# KiCad board mxm_immobilizer.kicad_pcb (continued)
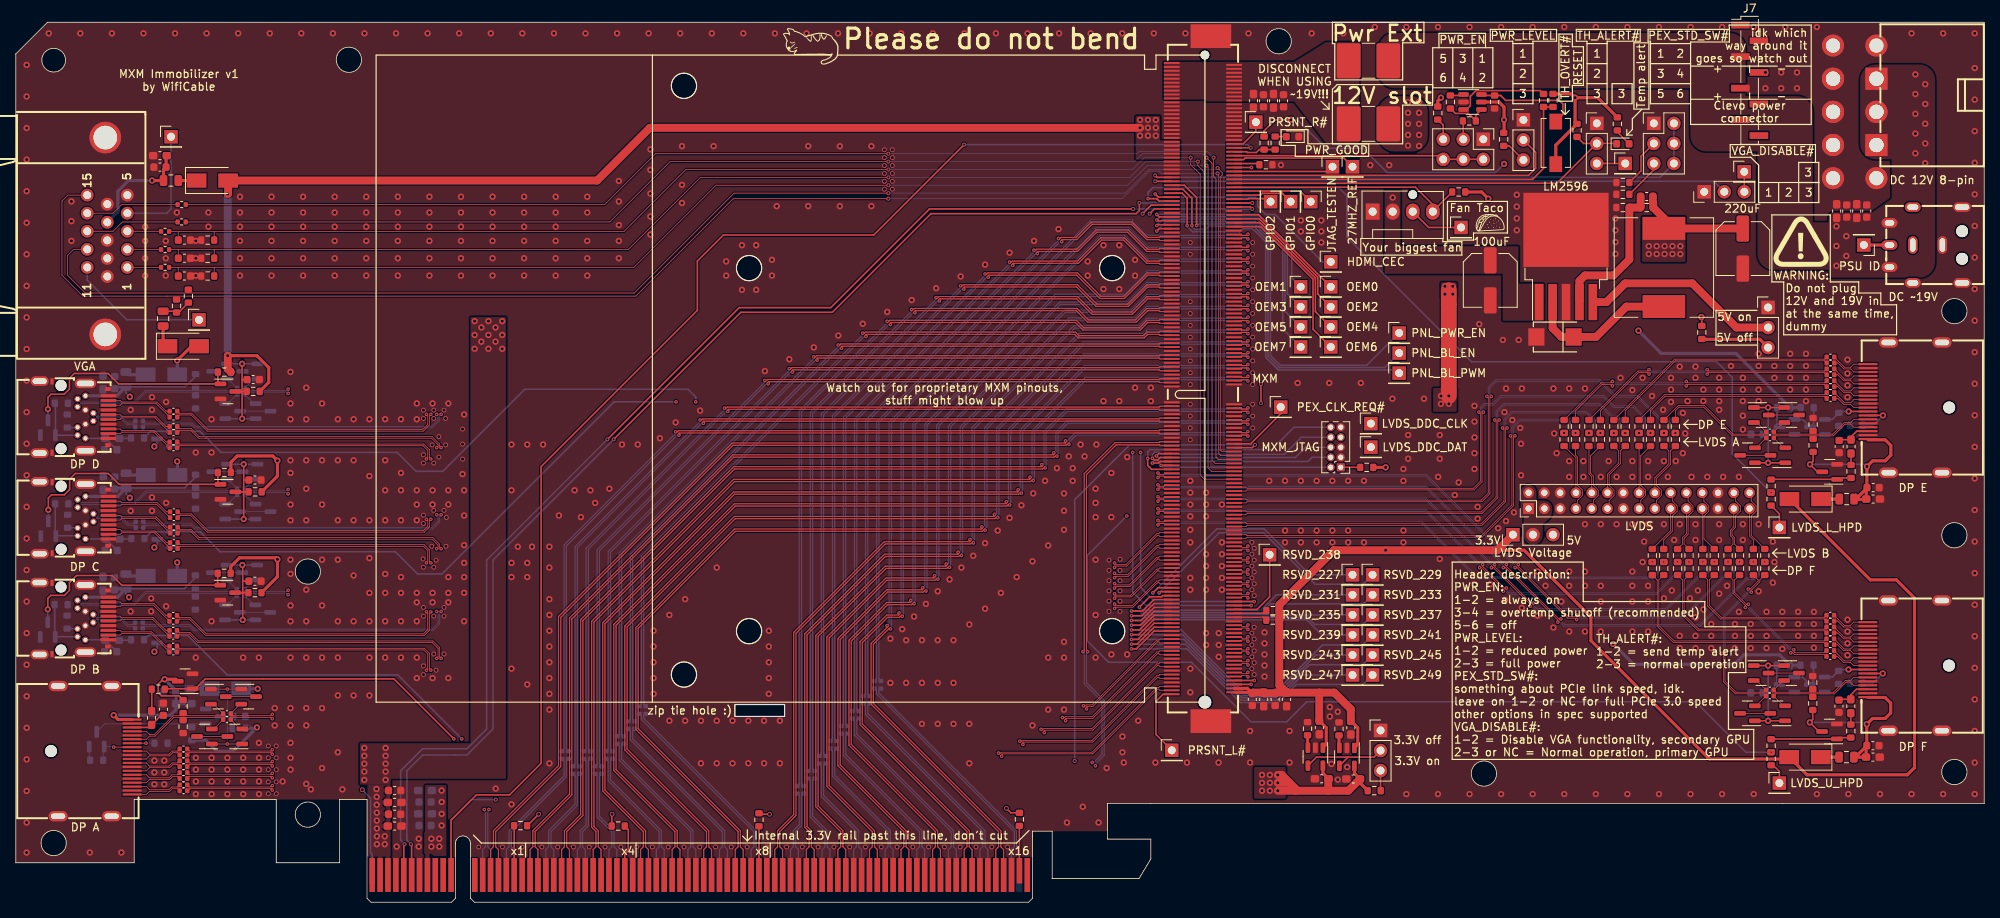
[diagram p0: board, top side]
## Routing (per net, layer and track width the routed paths; a pad name or vN(x,y) marks a point on that pad's centre or on a via; arc(x,y) is an arc through that point) (continued)
  Bottom w0.2: v3(144,55.65) 144.2,55.85 163.7,55.85 164.23,56.38 J8.4
JTAG_TDI: length 26.9
  Top w0.2: MXM1.161 145,56.35 144.7,56.05 144.2,56.05 v3(144,56.25)
  Bottom w0.2: v3(144,56.25) 144,56.75 144.3,57.05 144.8,57.05 145.1,56.75 160.7,56.75 162.87,58.92 J8.8
JTAG_TDO: length 24.8
  Top w0.2: v3(144.5,56.55) 144.8,56.85 MXM1.159
  Bottom w0.2: v3(144.5,56.55) 144.7,56.35 162.1,56.35 163.4,57.65 J8.6
JTAG_TMS: length 22.9
  Top w0.2: MXM1.165 v3(145.1,55.35)
  Bottom w0.2: J8.2 145.34,55.11 v3(145.1,55.35)
JTAG_TRST#: length 29.4
  Top w0.2: MXM1.167 143.9,54.85 143.4,55.35 v3(143.4,56.25)
  Bottom w0.2: J8.10 161.94,60.19 159.1,57.35 143.7,57.35 143.4,57.05 v3(143.4,56.25)
LVDS_DDC_CLK: length 49.5
  Top w0.2: v4(143.65,87.25) 144.25,87.85 MXM1.35
  In2.Cu w0.2: TP40.1 171.67,61.73 168.55,64.85 154.45,64.85 152.05,67.25 152.05,76.65 143.65,85.05 v4(143.65,87.25)
LVDS_DDC_DAT: length 54
  Top w0.2: MXM1.33 143.85,88.35 v4(142.75,87.25)
  In2.Cu w0.2: v4(142.75,87.25) 142.75,84.05 150.95,75.85 150.95,67.05 153.85,64.15 167.95,64.15 169.65,62.45 169.65,59.68 TP41.1
LVDS_L_HPD: length 3.2
  Top w0.2: R50.2 223.43,49.21 TP43.1
LVDS_L_HPD/DP_E_HPD: length 107.8
  Top w0.2: v3(143.45,89.15) 144.53,89.15 144.63,89.05 144.65,89.05 144.85,88.85 MXM1.31
  Bottom w0.2: v3(143.45,89.15) 143.45,89.95 144.05,90.55 167.61,90.55 168.63,89.53 168.63,84.28 184.43,68.48 215.48,68.48 217.45,66.51 217.45,56.84 v3(222.38,51.91)
LVDS_LCLK+: length 5.9
  Top w0.1: J11.16 R54.2
LVDS_LCLK-: length 9
  Top w0.1: J11.15 205.86,50.09 205.86,50.93 206.48,51.54 206.48,52.23 205.86,52.84 205.86,56.57 R53.2
LVDS_LCLK/DP_E_L3+: length 65.7
  Top w0.1: v3(185.93,62.1) 185.76,61.92 185.76,53.26 184.74,52.24 156,52.24 155.85,52.1 MXM1.178
  Bottom w0.1: v3(185.93,62.1) 185.76,62.27 185.76,62.66 186.09,62.99 187.19,62.99 188.19,63.99 201.11,63.99 202.41,62.69 204.91,62.69 206.28,61.33 206.28,60.07 v4(205.65,59.45)
LVDS_LCLK/DP_E_L3-: length 66.1
  Top w0.1: v3(185.37,62.1) 185.55,61.92 185.55,53.34 184.66,52.45 156,52.45 155.85,52.6 MXM1.176
  Bottom w0.1: v4(207.1,59.45) 206.48,60.07 206.48,61.42 204.99,62.9 202.49,62.9 201.19,64.2 188.11,64.2 187.11,63.2 186.01,63.2 185.55,62.74 185.55,62.27 v3(185.37,62.1)
LVDS_LTX0+: length 6.5
  Top w0.1: J11.8 197.65,56.31 R70.2
LVDS_LTX0-: length 8.6
  Top w0.1: J11.7 197.86,50.09 197.86,50.93 198.48,51.54 198.48,52.23 197.86,52.84 197.86,56.4 197.6,56.66 R69.2
LVDS_LTX0/DP_E_L2+: length 56.2
  Top w0.1: v3(189.93,59.1) 189.76,58.92 189.76,50.26 185.74,46.24 156,46.24 155.85,46.1 MXM1.202
  Bottom w0.1: v4(196.15,59.45) 196.78,60.07 196.78,60.73 196.51,60.99 190.59,60.99 189.76,60.16 189.76,59.27 v3(189.93,59.1)
LVDS_LTX0/DP_E_L2-: length 56.5
  Top w0.1: v3(189.37,59.1) 189.55,58.92 189.55,50.34 185.66,46.45 156,46.45 155.85,46.6 MXM1.200
  Bottom w0.1: v3(189.37,59.1) 189.55,59.27 189.55,60.24 190.51,61.2 196.59,61.2 196.98,60.82 196.98,60.07 v4(197.6,59.45)
LVDS_LTX1+: length 6.1
  Top w0.1: J11.10 199.65,53.92 199.3,54.27 R66.2
LVDS_LTX1-: length 9.2
  Top w0.1: R65.2 199.51,56.57 199.51,54.36 199.86,54.01 199.86,52.84 200.48,52.23 200.48,51.54 199.86,50.93 199.86,50.09 J11.9
LVDS_LTX1/DP_E_L1+: length 60
  Top w0.1: v3(188.93,60.1) 188.76,59.92 188.76,50.76 185.74,47.74 156,47.74 155.85,47.6 MXM1.196
  Bottom w0.1: v3(188.93,60.1) 188.76,60.27 188.76,61.16 189.59,61.99 198.91,61.99 199.93,60.98 199.93,60.07 v4(199.3,59.45)
LVDS_LTX1/DP_E_L1-: length 60.3
  Top w0.1: MXM1.194 155.85,48.1 156,47.95 185.66,47.95 188.55,50.84 188.55,59.92 v3(188.37,60.1)
  Bottom w0.1: v4(200.75,59.45) 200.12,60.07 200.12,61.07 198.99,62.2 189.51,62.2 188.55,61.24 188.55,60.27 v3(188.37,60.1)
LVDS_LTX2+: length 6.8
  Top w0.1: J11.12 201.65,54.24 203.07,55.66 203.07,57.19 R62.2
LVDS_LTX2-: length 9.4
  Top w0.1: J11.11 201.86,50.09 201.86,50.93 202.48,51.54 202.48,52.23 201.86,52.84 201.86,54.15 203.28,55.57 203.28,57.19 R61.2
LVDS_LTX2/DP_E_L0+: length 63.7
  Top w0.1: MXM1.190 155.85,49.1 156,49.24 185.74,49.24 187.76,51.26 187.76,60.92 v3(187.93,61.1)
  Bottom w0.1: v3(187.93,61.1) 187.76,61.27 187.76,62.16 188.59,62.99 200.61,62.99 202.16,61.45 202.76,61.45 203.08,61.13 203.08,60.07 v4(202.45,59.45)
LVDS_LTX2/DP_E_L0-: length 64.1
  Top w0.1: v3(187.37,61.1) 187.55,60.92 187.55,51.34 185.66,49.45 156,49.45 155.85,49.6 MXM1.188
  Bottom w0.1: v3(187.37,61.1) 187.55,61.27 187.55,62.24 188.51,63.2 200.69,63.2 202.24,61.65 202.84,61.65 203.28,61.22 203.28,60.07 v4(203.9,59.45)
LVDS_LTX3+: length 6.9
  Top w0.1: J11.18 207.65,53.79 209.42,55.56 209.42,57.19 R58.2
LVDS_LTX3-: length 9.5
  Top w0.1: J11.17 207.86,50.09 207.86,50.93 208.48,51.54 208.48,52.23 207.86,52.84 207.86,53.7 209.63,55.47 209.63,57.19 R57.2
LVDS_LTX3/DP_E_AUX+: length 73.1
  Top w0.1: MXM1.184 155.85,50.6 156,50.74 185.74,50.74 186.76,51.76 186.76,63.92 v3(186.93,64.1)
  Bottom w0.1: v4(208.8,59.45) 209.43,60.07 209.43,60.68 209.06,61.05 208.36,61.05 205.41,63.99 202.61,63.99 200.61,65.99 187.59,65.99 186.76,65.16 186.76,64.27 v3(186.93,64.1)
LVDS_LTX3/DP_E_AUX-: length 73.5
  Top w0.1: MXM1.182 155.85,51.1 156,50.95 185.66,50.95 186.55,51.84 186.55,63.92 v3(186.37,64.1)
  Bottom w0.1: v4(210.25,59.45) 209.62,60.07 209.62,60.77 209.14,61.25 208.44,61.25 205.5,64.2 205.5,64.2 202.69,64.2 200.69,66.2 187.51,66.2 186.55,65.24 186.55,64.27 v3(186.37,64.1)
LVDS_U_HPD: length 3
  Top w0.2: 222.38,17.62 223.43,16.57 TP42.1
LVDS_U_HPD/DP_F_HPD: length 175.5
  Top w0.2: MXM1.14 v3(156.55,93.1) ; v4(157.75,63.25) v4(157.75,65.65)
  In2.Cu w0.2: v3(156.55,93.1) 157.75,91.9 v4(157.75,65.65) ; v4(157.75,63.25) 157.75,54.15 149.95,46.35 144.55,46.35 141.95,48.95 v3(140.75,48.95)
  Bottom w0.2: v3(140.75,48.95) 135.75,43.95 135.75,33.1 138.45,30.4 148.95,30.4 156.5,22.85 161,22.85 163.55,25.4 212.8,25.4 219.19,19.01 v3(222.38,19.01)
LVDS_UCLK+: length 8.3
  Top w0.1: J11.28 217.86,51.67 217.86,50.84 218.48,50.23 218.48,49.54 217.86,48.93 217.86,47.49 217.43,47.05 217.43,46.53 217.76,46.19 217.76,45.38 R83.2
LVDS_UCLK-: length 5.7
  Top w0.1: R82.2 217.55,45.38 217.55,46.11 217.22,46.44 217.22,47.14 217.65,47.58 J11.27
LVDS_UCLK/DP_F_L3+: length 86.6
  Top w0.1: v3(189.95,42.4) 190.2,42.4 196.61,35.99 197.58,35.99 v3(197.75,35.82) ; v3(144.7,53.82) 144.88,53.99 145.43,53.99 145.58,53.85 MXM1.171
  Bottom w0.1: v3(218.38,43.12) 217.75,42.5 217.75,41.96 217.29,41.5 216.79,41.5 211.29,35.99 197.93,35.99 v3(197.75,35.82) ; v3(144.7,53.82) 144.88,53.99 178.61,53.99 189.95,42.65 v3(189.95,42.4)
LVDS_UCLK/DP_F_L3-: length 86.3
  Top w0.1: v3(190.35,42.8) 190.35,42.55 196.69,36.2 197.58,36.2 v3(197.75,36.38) ; MXM1.169 145.58,54.35 145.43,54.2 144.88,54.2 v3(144.7,54.38)
  Bottom w0.1: v3(144.7,54.38) 144.88,54.2 178.69,54.2 190.1,42.8 v3(190.35,42.8) ; v3(197.75,36.38) 197.93,36.2 211.21,36.2 216.71,41.7 217.21,41.7 217.55,42.04 217.55,42.5 v3(216.93,43.12)
LVDS_UTX0+: length 8.2
  Top w0.1: R99.2 208.78,45.91 209.86,47 209.86,48.93 210.48,49.54 210.48,50.23 209.86,50.84 209.86,51.67 J11.20
LVDS_UTX0-: length 6.1
  Top w0.1: J11.19 209.65,47.08 R98.2
LVDS_UTX0/DP_F_L2+: length 70.3
  Top w0.1: v3(144.7,47.82) 144.88,47.99 145.43,47.99 145.58,47.85 MXM1.195
  Bottom w0.1: v3(144.7,47.82) 144.88,47.99 178.11,47.99 185.11,40.99 207.44,40.99 208.15,41.71 208.15,42.5 v3(208.78,43.12)
LVDS_UTX0/DP_F_L2-: length 69.9
  Top w0.1: v3(144.7,48.38) 144.88,48.2 145.43,48.2 145.58,48.35 MXM1.193
  Bottom w0.1: v3(207.33,43.12) 207.95,42.5 207.95,41.79 207.36,41.2 185.19,41.2 178.19,48.2 144.88,48.2 v3(144.7,48.38)
LVDS_UTX1+: length 8.2
  Top w0.1: J11.22 211.86,51.67 211.86,50.84 212.48,50.23 212.48,49.54 211.86,48.93 211.86,46.61 211.36,46.11 211.36,45.38 R95.2
LVDS_UTX1-: length 5.6
  Top w0.1: J11.21 211.65,46.7 211.15,46.19 211.15,45.38 R94.2
LVDS_UTX1/DP_F_L1+: length 75.9
  Top w0.1: v3(185.45,42.4) 185.7,42.4 188.45,39.65 v3(188.45,39.4) ; v3(144.7,49.32) 144.88,49.49 145.43,49.49 145.58,49.35 MXM1.189
  Bottom w0.1: v3(188.45,39.4) 188.7,39.4 189.11,38.99 207.89,38.99 210.34,41.45 210.89,41.45 211.35,41.91 211.35,42.5 v3(211.98,43.12) ; v3(144.7,49.32) 144.88,49.49 178.61,49.49 185.45,42.65 v3(185.45,42.4)
LVDS_UTX1/DP_F_L1-: length 75.6
  Top w0.1: v3(185.85,42.8) 185.85,42.55 188.6,39.8 v3(188.85,39.8) ; v3(144.7,49.88) 144.88,49.7 145.43,49.7 145.58,49.85 MXM1.187
  Bottom w0.1: v3(185.85,42.8) 185.6,42.8 178.69,49.7 144.88,49.7 v3(144.7,49.88) ; v3(210.53,43.12) 211.15,42.5 211.15,41.99 210.81,41.65 210.26,41.65 207.81,39.2 189.19,39.2 188.85,39.55 v3(188.85,39.8)
LVDS_UTX2+: length 8.3
  Top w0.1: J11.24 213.86,51.67 213.86,50.84 214.48,50.23 214.48,49.54 213.86,48.93 213.86,46.08 R91.2
LVDS_UTX2-: length 5.2
  Top w0.1: R90.2 213.73,45.91 213.65,45.99 J11.23
LVDS_UTX2/DP_F_L0+: length 81.4
  Top w0.1: v3(191.85,37.5) 191.85,37.75 187.2,42.4 v3(186.95,42.4) ; MXM1.183 145.58,50.85 145.43,50.99 144.88,50.99 v3(144.7,50.82)
  Bottom w0.1: v3(215.18,43.12) 214.55,42.5 214.55,41.91 214.09,41.45 213.54,41.45 209.09,36.99 192.61,36.99 192.1,37.5 v3(191.85,37.5) ; v3(186.95,42.4) 186.95,42.65 178.61,50.99 144.88,50.99 v3(144.7,50.82)
LVDS_UTX2/DP_F_L0-: length 81.1
  Top w0.1: v3(187.35,42.8) 187.35,42.55 192,37.9 v3(192.25,37.9) ; MXM1.181 145.58,51.35 145.43,51.2 144.88,51.2 v3(144.7,51.38)
  Bottom w0.1: v3(144.7,51.38) 144.88,51.2 178.69,51.2 187.1,42.8 v3(187.35,42.8) ; v3(213.73,43.12) 214.35,42.5 214.35,41.99 214.01,41.65 213.46,41.65 209.01,37.2 192.69,37.2 192.25,37.65 v3(192.25,37.9)
LVDS_UTX3+: length 8.4
  Top w0.1: R87.2 219.86,46.48 219.86,48.93 220.48,49.54 220.48,50.23 219.86,50.84 219.86,51.67 J11.30
LVDS_UTX3-: length 5.3
  Top w0.1: R86.2 220.13,45.91 219.65,46.39 J11.29
LVDS_UTX3/DP_F_AUX+: length 90.3
  Top w0.1: MXM1.177 145.58,52.35 145.43,52.49 144.88,52.49 v3(144.7,52.32) ; v3(195.35,35.5) 195.35,35.75 188.7,42.4 v3(188.45,42.4)
  Bottom w0.1: v3(221.58,43.12) 220.95,42.5 220.95,41.51 220.34,40.9 219.34,40.9 213.45,35 213.45,34.99 196.11,34.99 195.6,35.5 v3(195.35,35.5) ; v3(144.7,52.32) 144.88,52.49 178.61,52.49 188.45,42.65 v3(188.45,42.4)
LVDS_UTX3/DP_F_AUX-: length 90
  Top w0.1: MXM1.175 145.58,52.85 145.43,52.7 144.88,52.7 v3(144.7,52.88) ; v3(195.75,35.9) 195.5,35.9 188.85,42.55 v3(188.85,42.8)
  Bottom w0.1: v3(144.7,52.88) 144.88,52.7 178.69,52.7 188.6,42.8 v3(188.85,42.8) ; v3(220.12,43.12) 220.75,42.5 220.75,41.59 220.26,41.1 219.26,41.1 213.36,35.2 196.19,35.2 195.75,35.65 v3(195.75,35.9)
PERST#: length 151.8
  Top w0.2: v4(157,57.95) 156.65,57.6 MXM1.156
  In2.Cu w0.2: v4(134.15,17.9) 133.73,17.48 130.28,17.48 124.5,11.7 62.1,11.7 v4(60.8,13)
  Bottom w0.2: PCIe_x16_1.A11 55.15,10.4 57.75,13 v4(60.8,13) ; v4(157,57.95) 141.1,57.95 134.15,51 v4(134.15,17.9)
PEX_STD_SW#: length 73.8
  Top w0.2: MXM1.19 144.6,91.85 v4(144.35,92.1)
  Bottom w0.2: J1.2 J1.4 J1.6 208.31,91.85 144.6,91.85 v4(144.35,92.1)
PWR_EN: length 31.8
  Top w0.2: J5.2 J5.4 J5.6 180.38,94.6 MXM1.8
PWR_Ext:
  vias: v1(230.66,85.65) v1(230.66,83.15) v1(230.66,80.65) v1(231.91,84.4) v1(231.91,81.9) v1(240.66,104.9) v1(240.66,102.4) v1(240.66,99.9) v1(240.66,97.4) v1(240.66,94.9) v1(241.91,103.65) v1(241.91,101.15) v1(241.91,98.65) v1(241.91,96.15) v1(241.91,93.65)
PWR_GOOD: length 5.4
  Top w0.2: R46.1 R44.2 157.53,95.37 157.15,95 156.05,95 155.95,95.1 MXM1.6
PWR_LEVEL: length 42.8
  Top w0.2: MXM1.18 191.65,92.1 192.55,93 192.55,95.04 J4.2
REFCLK+: length 140.4
  Top w0.15: v3(135.8,31.75) 135.65,31.9 135.65,54.19 139.41,57.95 144.84,57.95 144.95,57.85 MXM1.155
  In2.Cu w0.15: v3(59.36,11.75) 59.5,11.6 59.5,11.29 60.44,10.35 125.16,10.35 131.44,16.63 135.92,16.63 136.58,17.29 v3(136.79,17.29)
  Bottom w0.15: v3(136.79,17.29) 136.79,17.5 137.9,18.61 137.9,25.56 135.65,27.81 135.65,31.6 v3(135.8,31.75) ; v3(59.36,11.75) 59.5,11.6 59.5,7.03 59.15,6.68 PCIe_x16_1.A13
REFCLK-: length 139.9
  Top w0.15: v3(135.21,31.75) 135.36,31.9 135.36,54.31 139.29,58.24 144.84,58.24 144.95,58.35 MXM1.153
  In2.Cu w0.15: v3(136.37,17.71) 136.37,17.5 135.8,16.92 131.32,16.92 125.04,10.64 60.56,10.64 59.8,11.41 59.8,11.6 v3(59.94,11.75)
  Bottom w0.15: PCIe_x16_1.A14 60.15,6.68 59.8,7.03 59.8,11.6 v3(59.94,11.75) ; v3(135.21,31.75) 135.36,31.6 135.36,27.69 137.61,25.44 137.61,18.73 136.58,17.71 v3(136.37,17.71)
SMB_CLK: length 165.8
  Top w0.2: PCIe_x16_1.B5 49.15,7.25 v4(49.25,7.35) ; MXM1.34 156.4,88.1 v4(156.65,87.85) ; v4(141.55,87.85) 115.75,87.85 103.25,75.35 91.65,75.35 v4(74.95,58.65)
  Bottom w0.2: v4(49.25,7.35) 48.75,7.85 48.75,16.65 51.55,19.45 57.15,19.45 59.65,21.95 59.65,43.35 v4(74.95,58.65) ; v4(156.65,87.85) v4(141.55,87.85)
SMB_DAT: length 165.7
  Top w0.2: v4(156.65,88.6) MXM1.32 ; v4(142.35,88.6) 142.35,87.65 141.95,87.25 115.95,87.25 103.45,74.75 91.85,74.75 v4(75.75,58.65) ; v4(50.05,7.35) 50.15,7.25 PCIe_x16_1.B6
  Bottom w0.2: v4(75.75,58.65) 60.45,43.35 60.45,21.95 57.15,18.65 51.55,18.65 49.55,16.65 49.55,7.85 v4(50.05,7.35) ; v4(156.65,88.6) v4(142.35,88.6)
TH_ALERT#: length 53.4
  Top w0.2: J6.2 198.63,96.15 R47.2 ; J6.2 195.25,91.1 MXM1.22 ; J6.2 202.76,96.15 D12.1
TH_OVERT#: length 48.8
  Top w0.2: MXM1.20 192.15,91.6 193.55,93 R48.1 R45.2
TH_OVERT#_TOGGLE: length 2.3
  Top w0.2: R77.2 183.38,98.94 J5.3
VGA_BLUE: length 180.7
  Top w0.1: 20.6,85 20.59,84.99 C3.2 ; 20.6,85 FB1.2 ; 20.6,85 25.1,85 ; v4(148.85,94.35) 148.85,93.45 150.05,92.25 150.05,54.15 150.6,53.6 MXM1.172 ; 25.1,85 77.05,85 84.9,92.85 v4(110.55,92.85) ; 25.1,85 25.14,84.96 R7.2
  Bottom w0.1: v4(110.55,92.85) 141.45,92.85 142.95,94.35 v4(148.85,94.35)
VGA_DISABLE#: length 74.7
  Top w0.2: v4(144.35,91.35) MXM1.21
  Bottom w0.2: v4(144.35,91.35) 215.12,91.35 J2.2
VGA_GREEN: length 180.8
  Top w0.1: 20.6,82.7 FB2.2 ; 20.6,82.7 20.59,82.69 C44.2 ; 20.6,82.7 25.1,82.7 ; 25.1,82.7 77.6,82.7 86.75,91.85 v4(110.55,91.85) ; 25.1,82.7 25.14,82.66 R11.2 ; MXM1.170 150.9,54.1 150.55,54.45 150.55,92.55 149.75,93.35 v4(149.75,93.85)
  Bottom w0.1: v4(110.55,91.85) 141.15,91.85 143.15,93.85 v4(149.75,93.85)
VGA_HSYNC: length 174.7
  Top w0.1: v4(150.85,94.35) 151.55,93.65 151.55,56 151.95,55.6 MXM1.164 ; v4(110.55,93.85) 82.9,93.85 75.25,86.2 FB4.2
  Bottom w0.1: v4(110.55,93.85) 141.75,93.85 142.75,94.85 150.35,94.85 v4(150.85,94.35)
VGA_RED: length 180.9
  Top w0.1: FB3.2 20.55,80.45 ; 20.55,80.45 25.15,80.45 ; 20.55,80.45 20.59,80.41 C48.2 ; v4(150.85,93.35) 151.05,93.15 151.05,55.05 151.5,54.6 MXM1.168 ; 25.15,80.45 25.14,80.44 R13.2 ; 25.15,80.45 78.3,80.45 88.7,90.85 v4(110.55,90.85)
  Bottom w0.1: v4(150.85,93.35) 143.35,93.35 140.85,90.85 v4(110.55,90.85)
VGA_SCL: length 204.7
  Top w0.1: v4(110.55,89.15) 90.9,89.15 78.55,76.8 19.15,76.8 8.5,76.8 5.85,79.45 5.85,88.85 6.6,89.6 VGA1.15 ; v4(152.25,92.35) 152.4,92.2 152.4,56.85 152.65,56.6 MXM1.160
  Bottom w0.1: v4(152.25,92.35) 145.15,92.35 144.85,92.65 143.65,92.65 140.15,89.15 v4(110.55,89.15)
VGA_SDA: length 196.4
  Top w0.1: v4(110.55,89.85) 91,89.85 78.35,77.2 8.8,77.2 6.55,79.45 6.55,81.95 7.33,82.73 VGA1.12 ; v4(152.25,93.05) 152.85,92.45 152.85,92.15 152.65,91.95 152.65,57.25 152.8,57.1 MXM1.158
  Bottom w0.1: v4(152.25,93.05) 152.05,92.85 143.55,92.85 140.55,89.85 v4(110.55,89.85)
VGA_VSYNC: length 173.9
  Top w0.1: v4(110.55,94.85) 81.05,94.85 74.6,88.4 FB5.2 ; v4(151.75,94.35) 151.75,91.95 152.05,91.65 152.05,56.4 152.35,56.1 MXM1.162
  Bottom w0.1: v4(151.75,94.35) 150.95,95.15 142.35,95.15 142.05,94.85 v4(110.55,94.85)
WAKE#: length 171.7
  Top w0.2: v4(120.15,96) 108.7,84.55 89.65,84.55 86.35,81.25 86.35,75 66.55,55.2 66.55,17.6 62.55,13.6 58.35,13.6 55.15,10.4 PCIe_x16_1.B11 ; v4(156.45,95.6) MXM1.4
  Bottom w0.2: v4(120.15,96) 156.05,96 v4(156.45,95.6)
Net-(D1-K): length 2.3
  Top w0.4: F1.2 D1.1
Net-(D2-K): length 2.6
  Bottom w0.4: F2.1 14.19,41.35 D2.1
Net-(D3-K): length 2.5
  Bottom w0.4: D3.1 22.11,27.05 F3.1
Net-(D4-K): length 2.6
  Bottom w0.4: D4.1 14.29,66.85 F4.1
Net-(D5-K): length 2.6
  Bottom w0.4: F5.1 14.21,54.12 D5.1
Net-(D6-K): length 2.8
  Top w0.4: 19.21,70.46 18.67,71.01 F6.1
Net-(D11-A): length 1.4
  Top w0.2: D11.2 160.94,97.02 R46.2
Net-(D12-A): length 2.3
  Top w0.2: R71.2 202.9,97.59 D12.2
Net-(D15-C): length 19.5
  Top w1: U4.2 194.7,72.75 195.83,71.62 D15.1 200.2,71.62 204.05,75.47 L5.1
Net-(D16-K): length 2.3
  Top w0.4: F7.1 D16.1
Net-(D17-K): length 2.3
  Top w0.4: D17.1 F8.1
Net-(DC1-Pad4): length 3.3
  Top w0.4: TP39.1 DC1.4
Net-(DP_A1-GND-Pad14): length 2.8
  Top w0.1: v3(16.5,20.15) DP_A1.14
  Bottom w0.1: R3.2 v3(16.5,20.15)
Net-(DP_A1-HOT_PLUG): length 4.6
  Top w0.2: C49.2 18.4,23.67 L4.1 16.88,22.15 DP_A1.18
Net-(DP_E1-GND-Pad14): length 4.9
  Top w0.2: DP_E1.14 v1(236.55,61.68)
  Bottom w0.2: R119.2 235.3,60.43 v1(236.55,61.68)
Net-(DP_E1-HOT_PLUG): length 4.4
  Top w0.2: DP_E1.18 233.22,59.68 232.5,58.97 L6.1 231.1,58.61 C93.2
Net-(DP_F1-GND-Pad14): length 4.9
  Top w0.2: DP_F1.14 v1(236.53,28.99)
  Bottom w0.2: R120.2 235.28,27.74 v1(236.53,28.99)
Net-(DP_F1-HOT_PLUG): length 4.6
  Top w0.2: DP_F1.18 233.2,26.99 232.48,26.27 L7.1 231.08,25.71 C94.2
Net-(J1-Pin_3): length 6.2
  Top w0.2: J1.3 205.9,94.52 205.9,92.67 R35.2
Net-(J1-Pin_5): length 5.2
  Top w0.2: R34.2 207.53,92.8 J1.5
Net-(J2-Pin_3): length 2.5
  Top w0.2: TP3.1 218.99,92.55 J2.3
Net-(J3-Pin_2): length 11.6
  Top w0.2: 168.8,18.39 172.06,18.39 J3.2 ; 168.8,18.39 164.79,18.39 U2.4 ; 168.8,18.39 U1.4
Net-(J3-Pin_3): length 2.6
  Top w0.2: J3.3 172.9,14.16 R41.1
Net-(J4-Pin_3): length 3.2
  Top w0.2: J4.3 189.21,95.84 R43.2
Net-(J5-Pin_5): length 2.8
  Top w0.2: J5.5 180.84,98.48 R72.2
Net-(J6-Pin_3): length 3.6
  Top w0.2: TP38.1 J6.3
Net-(J8-VTref): length 2.5
  Top w0.2: J8.1 170.31,55.11 R100.1
Net-(J9-Pin_2): length 25.5
  Top w1: U4.5 201.53,76.05 203.9,78.42 212.4,78.42 218,72.82 J9.2
Net-(J9-Pin_3): length 8.9
  Top w0.4: J9.3 220.96,71.32 213.65,71.32 R101.1
Net-(L1-Pad2): length 1.5
  Bottom w0.2: R4.2 14.55,58.77 L1.2
Net-(L2-Pad2): length 1.5
  Bottom w0.2: R5.2 14.6,46.02 L2.2
Net-(L3-Pad2): length 1.5
  Bottom w0.2: R6.2 14.55,33.2 L3.2
Net-(L4-Pad2): length 2.8
  Top w0.2: R12.2 17.22,24.25 L4.2
Net-(L6-Pad2): length 1.4
  Top w0.2: L6.2 R116.2
Net-(L7-Pad2): length 1.4
  Top w0.2: L7.2 R117.2
Net-(M1-Tacho): length 7
  Top w0.2: TP37.1 178.99,85.5 M1.3
Net-(mDP_B1-CONFIG2): length 1.3
  Bottom w0.2: mDP_B1.6 7.79,34.67 R10.2
Net-(mDP_B1-HOT_PLUG_DETECT): length 4.6
  Bottom w0.2: mDP_B1.2 11.28,33.25 L3.1 11.35,33.2 C35.1
Net-(mDP_C1-CONFIG2): length 1.3
  Bottom w0.2: 7.83,47.42 7.81,47.45 R9.2
Net-(mDP_C1-HOT_PLUG_DETECT): length 4.6
  Bottom w0.2: 8.83,46.02 L2.1 C26.1
Net-(mDP_D1-CONFIG2): length 1.3
  Bottom w0.2: R8.2 7.8,60.15 mDP_D1.6
Net-(mDP_D1-HOT_PLUG_DETECT): length 4.6
  Bottom w0.2: C17.1 L1.1 mDP_D1.2
Net-(MXM1-3V3-Pad240): length 4.2
  Top w0.2: MXM1.240 158.09,36.6 158.44,36.95
Net-(MXM1-3V3-Pad242): length 4.2
  Top w0.2: R38.1 158.08,36.1 MXM1.242
Net-(MXM1-27MHZ_REF): length 15.5
  Top w0.2: MXM1.10 155.55,94.1 155.75,94.3 168.25,94.3 TP27.1
Net-(MXM1-GND-Pad12): length 3.3
  Top w0.2: 157.56,93.45 157.41,93.6 MXM1.12
Net-(MXM1-GPIO0): length 10.3
  Top w0.2: MXM1.26 154.37,90.12 162.7,90.12 TP29.1
Net-(MXM1-GPIO1): length 7.7
  Top w0.2: MXM1.28 157.7,89.6 157.92,89.82 160.46,89.82 TP30.1
Net-(MXM1-GPIO2): length 4.8
  Top w0.2: MXM1.30 156.1,89.1 156.15,89.15 158.59,89.15 TP31.1
Net-(MXM1-HDMI_CEC): length 28.6
  Top w0.2: v3(144.35,89.75) 144.75,89.35 MXM1.29
  Bottom w0.2: v3(144.35,89.75) 144.75,89.35 157.05,89.35 157.35,89.05 157.35,88.15 158.35,87.15 159.55,87.15 165.55,81.15 TP7.1
Net-(MXM1-JTAG_TESTEN): length 12.7
  Top w0.2: MXM1.16 166.21,92.6 TP28.1
Net-(MXM1-OEM0): length 16
  Top w0.2: MXM1.38 157.47,87.1 TP32.1
Net-(MXM1-OEM1): length 26.3
  Top w0.2: v3(144.55,87.15) 144.85,86.85 MXM1.39
  Bottom w0.2: v3(144.55,87.15) 157.45,87.15 161.65,82.95 161.65,79.11 TP8.1
Net-(MXM1-OEM2): length 18.1
  Top w0.2: MXM1.40 157.55,86.6 164.95,79.2 164.95,77.08 TP33.1
Net-(MXM1-OEM3): length 28.6
  Top w0.2: v3(144.55,86.45) 144.65,86.35 MXM1.41
  Bottom w0.2: TP9.1 161.1,77.12 161.1,83.08 157.33,86.85 144.95,86.85 v3(144.55,86.45)
Net-(MXM1-OEM4): length 20.2
  Top w0.2: MXM1.42 157.62,86.1 164.65,79.07 164.65,74.84 TP34.1
Net-(MXM1-OEM5): length 30.9
  Top w0.2: MXM1.43 144.65,85.85 v3(144.55,85.75)
  Bottom w0.2: TP10.1 160.8,74.88 160.8,82.95 157.2,86.55 145.35,86.55 v3(144.55,85.75)
Net-(MXM1-OEM6): length 22.3
  Top w0.2: TP35.1 164.35,72.6 164.35,78.95 157.7,85.6 MXM1.44
Net-(MXM1-OEM7): length 33.3
  Top w0.2: v3(144.55,85.05) 144.85,85.35 MXM1.45
  Bottom w0.2: TP11.1 160.5,72.64 160.5,82.83 157.08,86.25 145.75,86.25 v3(144.55,85.05)
Net-(MXM1-PEX_CLK_REQ#): length 8.3
  Top w0.2: MXM1.154 156.45,58.1 160.25,61.9 TP36.1
Net-(MXM1-PNL_BL_EN): length 49.9
  Top w0.2: v3(149,85.75) 149,89.2 147.85,90.35 MXM1.25
  Bottom w0.2: TP5.1 173.42,67.75 160.07,67.75 158.65,69.17 158.65,83.83 156.83,85.65 151.15,85.65 150.75,85.25 149.4,85.25 149,85.65 v3(149,85.75)
Net-(MXM1-PNL_BL_PWM): length 49.3
  Top w0.2: MXM1.27 147.75,89.85 148.4,89.2 v3(148.4,85.75)
  Bottom w0.2: TP6.1 174.86,67.45 159.95,67.45 158.35,69.05 158.35,83.71 156.71,85.35 155.45,85.35 155.05,84.95 149.1,84.95 148.4,85.65 v3(148.4,85.75)
Net-(MXM1-PNL_PWR_EN): length 50.8
  Top w0.2: MXM1.23 148.05,90.85 149.6,89.3 v3(149.6,85.75)
  Bottom w0.2: v3(149.6,85.75) 149.8,85.95 156.95,85.95 158.95,83.96 158.95,69.3 160.2,68.05 171.15,68.05 175.23,72.13 TP4.1
Net-(MXM1-PRSNT_L#): length 9.4
  Top w0.2: TP24.1 144.45,21.25 144.45,25.45 145.35,26.35 MXM1.281
Net-(MXM1-PRSNT_R#): length 4.6
  Top w0.2: MXM1.2 155.5,96.1 157.1,97.7 TP26.1
Net-(MXM1-RSVD-Pad227): length 33.7
  Top w0.2: MXM1.227 144.7,39.85 v3(144.05,39.2)
  Bottom w0.2: v3(144.05,39.2) 152.15,47.3 158.15,47.3 163.96,41.49 TP12.1
Net-(MXM1-RSVD-Pad229): length 35
  Top w0.2: MXM1.229 145,39.35 v3(144.85,39.2)
  Bottom w0.2: TP13.1 170.7,40.3 164.6,40.3 158.1,46.8 152.45,46.8 v3(144.85,39.2)
Net-(MXM1-RSVD-Pad231): length 32.7
  Top w0.2: v3(142.35,37.4) 143.65,38.7 145.15,38.7 145.3,38.85 MXM1.231
  Bottom w0.2: TP14.1 159.7,38.95 157.75,37 142.75,37 v3(142.35,37.4)
Net-(MXM1-RSVD-Pad233): length 37.3
  Top w0.2: MXM1.233 144.2,38.35 142.75,36.9 v3(141.35,36.9)
  Bottom w0.2: TP15.1 170.74,37.8 158.97,37.8 157.87,36.7 142.55,36.7 142.35,36.9 v3(141.35,36.9)
Net-(MXM1-RSVD-Pad235): length 33.8
  Top w0.2: MXM1.235 144.2,37.85 142.65,36.3 v3(141.35,36.3)
  Bottom w0.2: v3(141.35,36.3) 142.55,36.3 142.65,36.4 165.55,36.4 165.56,36.41 TP16.1
Net-(MXM1-RSVD-Pad237): length 37.4
  Top w0.2: MXM1.237 144.2,37.35 142.55,35.7 v3(141.35,35.7)
  Bottom w0.2: v3(141.35,35.7) 142.65,35.7 143.05,36.1 163.65,36.1 164.55,35.2 170.68,35.2 TP17.1
Net-(MXM1-RSVD-Pad238): length 10.5
  Top w0.2: MXM1.238 157.25,37.1 158.85,38.7 TP25.1
Net-(MXM1-RSVD-Pad239): length 34.9
  Top w0.2: MXM1.239 144.2,36.85 142.45,35.1 v3(141.35,35.1)
  Bottom w0.2: v3(141.35,35.1) 142.65,35.1 143.35,35.8 163.53,35.8 165.46,33.87 TP18.1
Net-(MXM1-RSVD-Pad241): length 42.8
  Top w0.2: v3(141.35,34.5) 142.35,34.5 144.2,36.35 MXM1.241
  Bottom w0.2: TP19.1 170.62,32.6 165.55,32.6 159.45,26.5 155.65,26.5 147.65,34.5 v3(141.35,34.5)
Net-(MXM1-RSVD-Pad243): length 39.2
  Top w0.2: v3(141.35,33.9) 142.25,33.9 144.2,35.85 MXM1.243
  Bottom w0.2: v3(141.35,33.9) 147.83,33.9 155.53,26.2 159.57,26.2 164.7,31.33 TP20.1
Net-(MXM1-RSVD-Pad245): length 41.8
  Top w0.2: MXM1.245 144.2,35.35 142.15,33.3 v3(141.35,33.3)
  Bottom w0.2: TP21.1 170.66,30.1 163.9,30.1 159.7,25.9 155.4,25.9 148,33.3 v3(141.35,33.3)
Net-(MXM1-RSVD-Pad247): length 38.3
  Top w0.2: v3(141.35,32.7) 142.05,32.7 144.2,34.85 MXM1.247
  Bottom w0.2: v3(141.35,32.7) 148.18,32.7 155.28,25.6 159.82,25.6 163.01,28.79 TP22.1
Net-(MXM1-RSVD-Pad249): length 40.8
  Top w0.2: v3(141.35,32.1) 141.95,32.1 144.2,34.35 MXM1.249
  Bottom w0.2: TP23.1 170.7,27.6 162.24,27.6 159.94,25.3 155.16,25.3 148.36,32.1 v3(141.35,32.1)
Net-(PCIe_x16_1-~{PRSNT1}): length 110.8
  Top w0.2: v2(95.5,11.15) 94.27,11.15 R104.2 ; 64.77,9.7 64.8,9.7 v2(66.25,11.15) ; R103.2 75.5,11.1 v2(75.55,11.15) ; v2(125.5,11.9) 126.08,11.32 127.15,11.32
  In2.Cu w0.2: v2(43.9,14.25) 43.55,14.25 43.1,14.7 43.1,20.25 43.3,20.45 52.25,20.45 61.55,11.15 v2(66.25,11.15) v2(75.55,11.15) v2(95.5,11.15) 124.75,11.15 v2(125.5,11.9)
  Bottom w0.2: v2(43.9,14.25) 44.95,13.2 44.95,6.3 45.15,6.1 PCIe_x16_1.A1
Net-(PCIe_x16_1-~{PRSNT2}-PadB17): length 6.3
  Top w0.2: R102.1 63.15,9.67 PCIe_x16_1.B17
Net-(PCIe_x16_1-~{PRSNT2}-PadB31): length 6.6
  Top w0.2: PCIe_x16_1.B31 77.15,6.1 77.6,6.55 77.6,9.2 R103.1
Net-(PCIe_x16_1-~{PRSNT2}-PadB48): length 6.2
  Top w0.2: PCIe_x16_1.B48 R104.1
Net-(PCIe_x16_1-~{PRSNT2}-PadB81): length 5.7
  Top w0.2: PCIe_x16_1.B81 R105.1
Net-(Q1-D): length 29.3
  Top w0.2: v1(4.07,62.47) 4.07,63.97 4.48,64.37 6.15,64.37 6.8,65.03 6.8,66.4 7.4,67 11.7,67 13.03,65.67 Q5.1 ; Q5.1 25.74,65.87 ; Q5.1 25.6,66.01 R19.1
  Bottom w0.2: v1(4.07,62.47) Q1.3
Net-(Q1-G): length 6.9
  Bottom w0.2: mDP_D1.4 5.04,59.17 5.03,59.19 5.03,63.15 R15.2
Net-(Q2-D): length 29.3
  Top w0.2: 25.72,53.15 25.93,52.95 Q6.1 ; Q6.1 13.1,52.95 11.72,54.32 7.53,54.32 6.82,53.62 6.82,52.29 6.16,51.62 4.53,51.62 4.12,51.22 v1(4.12,49.72) ; Q6.1 25.6,53.29 R20.1
  Bottom w0.2: v1(4.12,49.72) Q2.3
